# KiCad board RP2040-Breadstick Panel.kicad_pcb (continued)
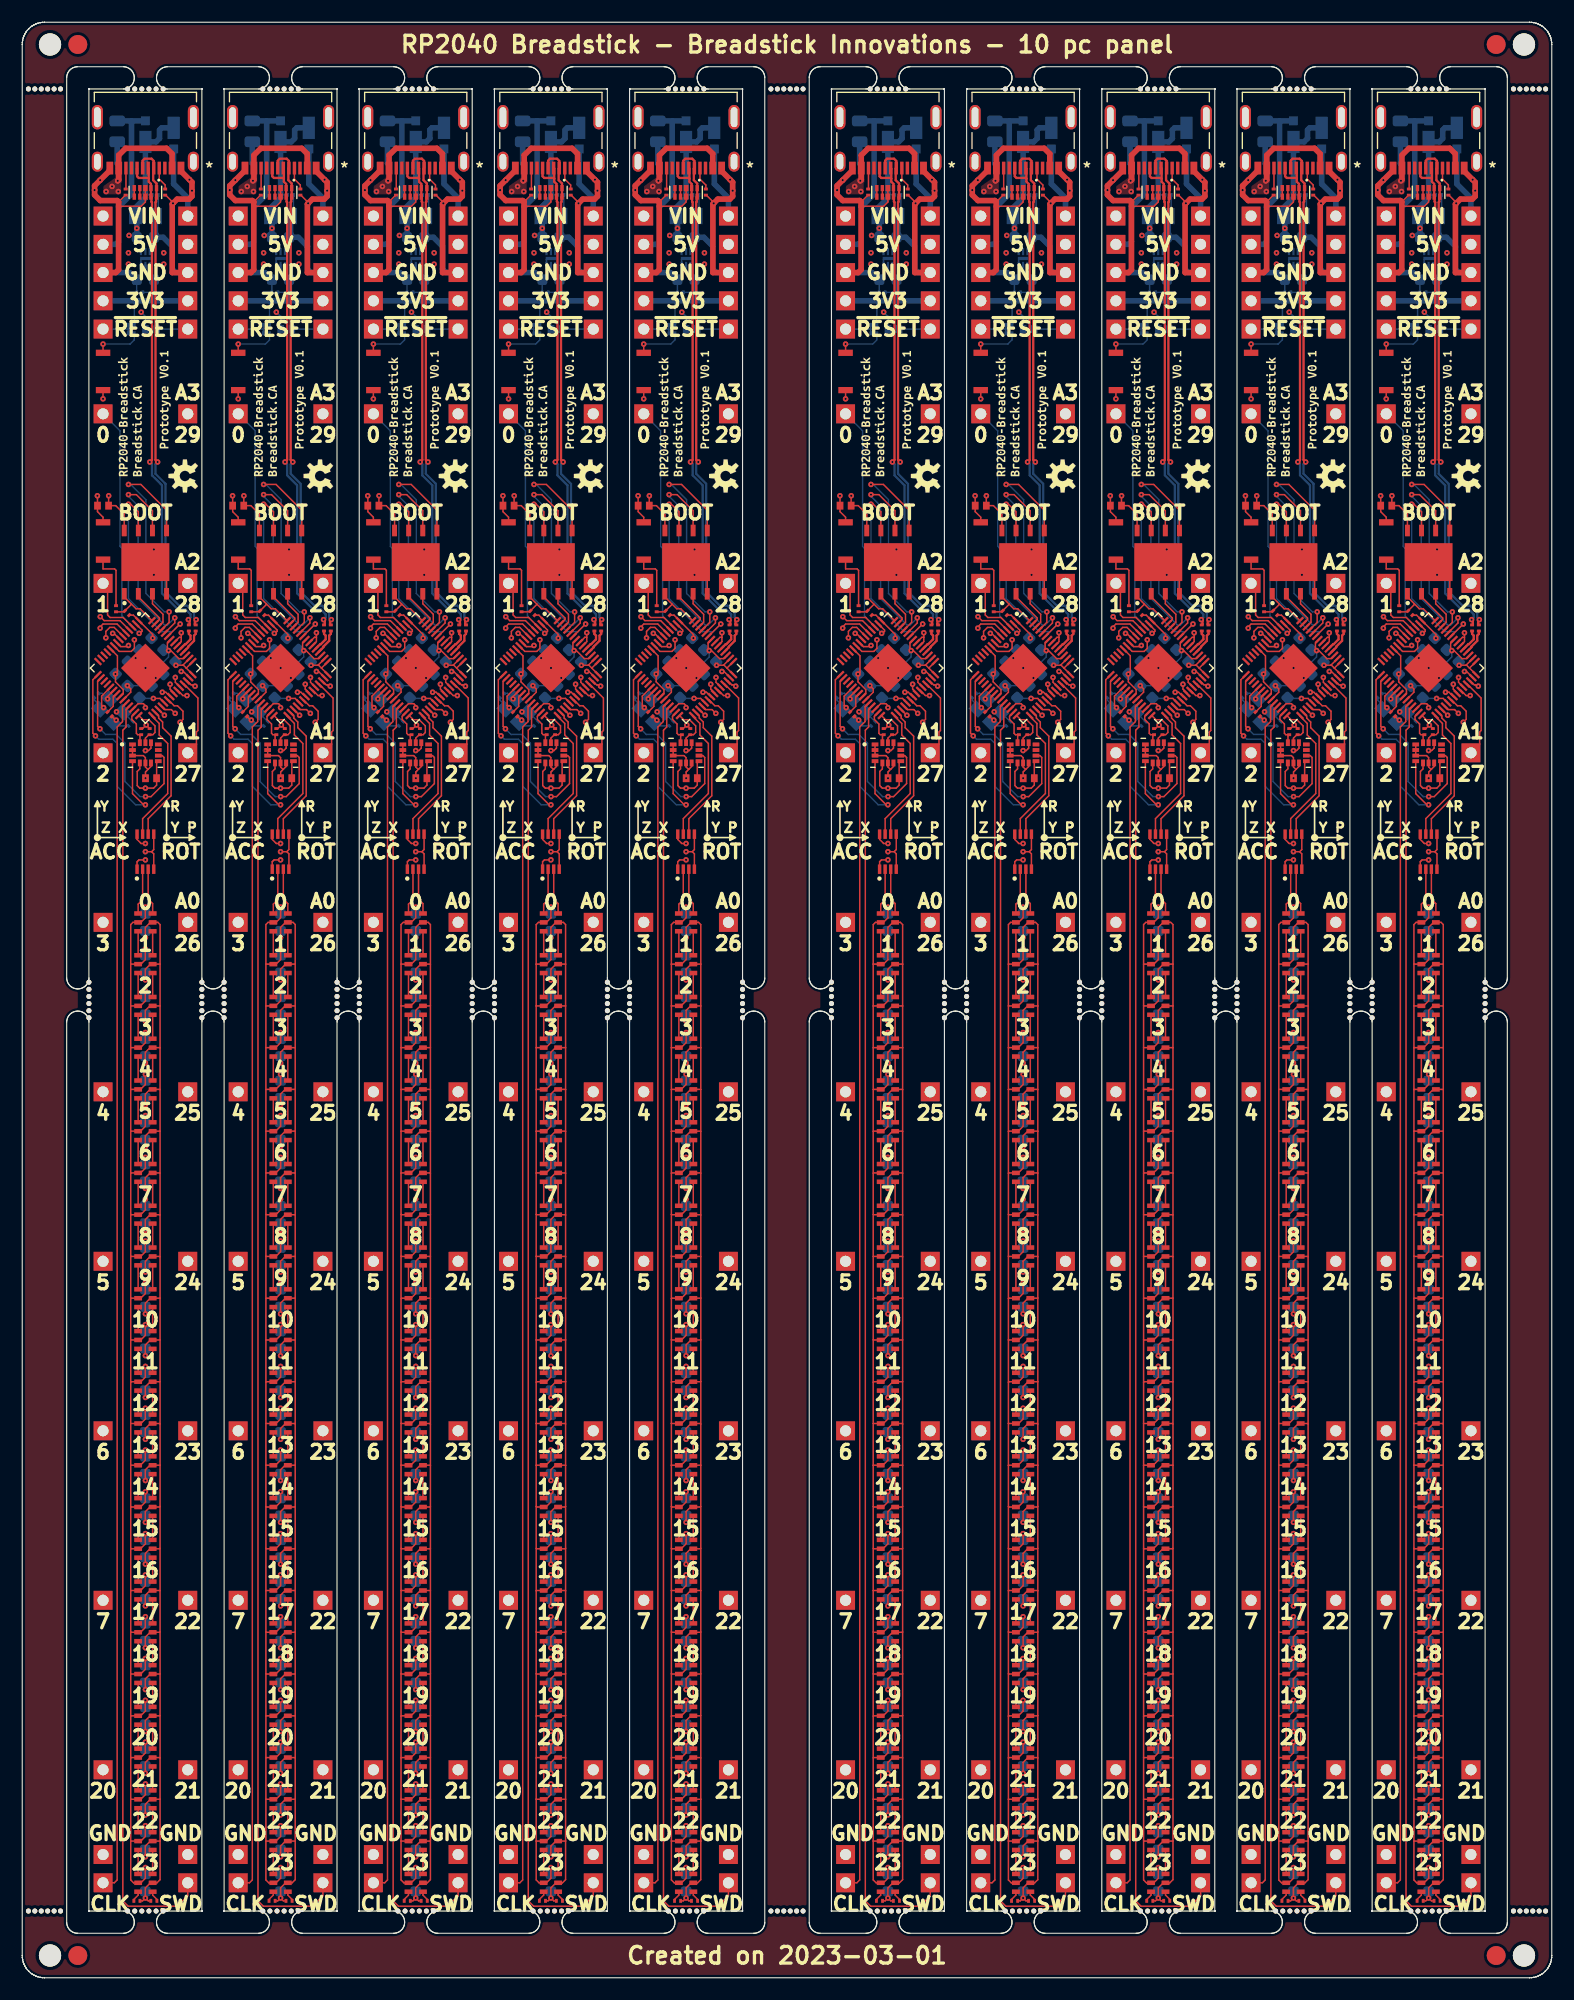
[diagram p0: board, top side]
## Routing (per net, layer and track width the routed paths; a pad name or vN(x,y) marks a point on that pad's centre or on a via; arc(x,y) is an arc through that point) (continued)
  L1_SIG.Cu w0.127: v1(111.41,120.88) 111.52,120.88 U201#4.7
  L3_SIG.Cu w0.127: v1(111.41,120.88) 111.41,117.89 111.16,117.63 111.16,116.98 112.67,115.47 112.67,112.25 112.6,112.18 112.6,108.31 112.27,107.98 112.27,92.85 111.69,92.27 111.69,78.22 110.55,77.08 J210#9.1
Board_8-/RP2040/D6: length 73.9
  L1_SIG.Cu w0.127: v1(112.84,119.79) 112.73,119.69 112.15,119.69 U201#4.8
  L3_SIG.Cu w0.127: v1(112.84,119.79) 112.48,119.79 112.2,119.51 112.2,117.72 113.26,116.66 113.26,114.03 113.07,113.84 113.07,112.07 113.01,112.01 113.01,108.08 112.86,107.93 112.86,92.21 112.34,91.69 112.34,63.31 110.55,61.52 J211#2.1
Board_8-/RP2040/D7: length 91.4
  L1_SIG.Cu w0.127: v1(113.37,120.3) 113.37,119.54 113.09,119.26 112.01,119.26 U201#4.9
  L3_SIG.Cu w0.127: v1(113.37,120.3) 113.37,119.33 112.97,118.93 112.97,118.17 114.03,117.11 114.03,114.79 113.69,114.45 113.69,113.42 113.46,113.19 113.46,107.8 113.34,107.68 113.34,91.44 113.1,91.2 113.1,62.09 111.88,60.87 111.88,44.1 110.55,42.77 J212.1
Board_8-/RP2040/D20: length 98.8
  L1_SIG.Cu w0.127: v1(116.07,113.52) 116.05,113.52 U201#4.31
  L3_SIG.Cu w0.127: v1(116.07,113.52) 114.55,113.52 113.87,112.84 113.87,61.15 113.13,60.41 113.13,32.49 110.55,29.91 J204#5.1
Board_8-/RP2040/D21: length 99.2
  L1_SIG.Cu w0.127: U201#4.32 116.11,114.03 116.7,114.03 117.03,113.69 v1(117.04,113.69)
  L3_SIG.Cu w0.127: v1(117.04,113.69) 116.84,113.49 116.84,113.17 116.67,113 115.87,113 114.87,112 114.87,61.15 115.62,60.4 115.62,32.39 118.17,29.84 J203#5.1
Board_8-/RP2040/D22: length 84.5
  L1_SIG.Cu w0.127: v1(117.48,112.89) 117.74,113.15 117.74,113.88 117.25,114.37 116.95,114.37 116.41,114.91 U201#4.34
  L3_SIG.Cu w0.127: v1(117.48,112.89) 117.2,112.61 116.13,112.61 115.34,111.82 115.34,107.82 115.42,107.74 115.42,91.48 115.65,91.25 115.65,62.28 116.87,61.06 116.87,44.18 118.11,42.94 118.11,34 J213#5.1
Board_8-/RP2040/D23: length 71.1
  L1_SIG.Cu w0.127: U201#4.35 116.59,115.19 116.19,115.59 v1(115.88,115.59)
  L3_SIG.Cu w0.127: v1(115.88,115.59) 116.2,115.59 118,113.79 118,112.48 117.76,112.24 116.34,112.24 115.8,111.7 115.8,108.08 115.94,107.94 115.94,92.01 116.39,91.56 116.39,63.31 118.17,61.53 J214.1
Board_8-/RP2040/D24: length 56.2
  L1_SIG.Cu w0.127: U201#4.36 116.93,115.52 116.58,115.87 v1(116.58,116.31)
  L3_SIG.Cu w0.127: v1(116.58,116.31) 116.58,115.87 118.37,114.08 118.37,112.19 118.09,111.92 116.54,111.92 116.22,111.6 116.22,108.31 116.48,108.05 116.48,92.71 117.04,92.15 117.04,78.12 118.17,76.99 J215#9.1
Board_8-/RP2040/D25: length 39.4
  L1_SIG.Cu w0.127: v1(118.1,115.29) 117.73,115.29 117.26,115.76 U201#4.37
  L3_SIG.Cu w0.127: v1(118.1,115.29) 118.72,114.67 118.72,111.95 118.4,111.63 116.82,111.63 116.63,111.44 116.63,108.69 117.05,108.27 117.05,93.35 118.17,92.23 J202#4.1
Board_8-/RP2040/MCU_QSPI_CSN: length 5.4
  L1_SIG.Cu w0.127: 113.08,123.54 113.52,123.09 113.88,123.09 U201#4.56 ; 113.08,123.54 113.08,123.47 R205#5.2 112.43,122.82 R204#9.2 ; 113.08,123.54 112.45,124.16 U203#10.1
Board_8-/RP2040/MCU_QSPI_SCLK: length 20.6
  L1_SIG.Cu w0.127: v1(117,122.28) 117,121.82 U201#4.52 ; U203#10.6 114.99,131.91 113.55,133.36 v1(112.84,133.36)
  L8_SIG.Cu w0.127: v1(117,122.28) 116.34,121.62 116.09,121.62 113.7,124.01 113.7,132.34 112.84,133.2 v1(112.84,133.36)
Board_8-/RP2040/MCU_QSPI_SD0: length 21.5
  L1_SIG.Cu w0.127: U203#10.5 116.27,131.96 113.95,134.27 v1(112.84,134.27) ; v1(116.49,122.81) 116.49,121.87 U201#4.53
  L8_SIG.Cu w0.127: v1(112.84,134.27) 113.04,134.27 114.41,132.9 114.41,124.47 116.06,122.81 v1(116.49,122.81)
Board_8-/RP2040/MCU_QSPI_SD1: length 3.6
  L1_SIG.Cu w0.127: U201#4.55 115.63,122.14 115.63,122.26 113.73,124.16 U203#10.2
Board_8-/RP2040/MCU_QSPI_SD2: length 3.5
  L1_SIG.Cu w0.127: U203#10.3 114.99,123.55 115.94,122.6 115.94,121.89 U201#4.54
Board_8-/RP2040/MCU_QSPI_SD3: length 19.1
  L1_SIG.Cu w0.127: v1(112.84,132.49) 113.04,132.49 113.73,131.81 U203#10.7 ; v1(117.48,121.72) 117.47,121.72 U201#4.51
  L8_SIG.Cu w0.127: v1(117.48,121.72) 116.8,121.04 115.81,121.04 112.84,124.01 v1(112.84,132.49)
Board_8-/RP2040/MCU_USB_D+: length 2.1
  L1_SIG.Cu w0.2: U201#4.47 117.92,119.91 117.98,119.91
  L1_SIG.Cu w0.203: 117.98,119.91 118.42,120.35 118.42,120.68 118.27,120.83 R203.1
Board_8-/RP2040/MCU_USB_D-: length 2.3
  L1_SIG.Cu w0.2: U201#4.46 118.21,119.63 118.21,119.68
  L1_SIG.Cu w0.203: 118.21,119.68 118.74,120.21 118.74,120.68 118.88,120.83 R202#4.1
Board_8-/RP2040/USB_D+: length 45.2
  L1_SIG.Cu w0.203: 114.66,161.77 114.6,161.83 113.76,161.83 113.61,161.98 J221.B6 ; 114.66,161.77 114.66,162.67 J221.A6 ; 114.66,161.77 114.66,161.49 114.86,161.29 U202#10.2 U202#10.9 114.9,160.11 114.9,159.7 114.95,159.64 114.95,136.48 v1(114.76,136.29) ; R203.2 118.34,121.71 118.34,122 v1(118.23,122.12)
  L8_SIG.Cu w0.203: v1(118.23,122.12) 118.42,122.31 118.42,122.6 117.96,123.05 117.27,123.05 115.85,124.47 115.85,134.19 114.95,135.09 114.95,136.1 v1(114.76,136.29)
Board_8-/RP2040/USB_D-: length 45.9
  L1_SIG.Cu w0.203: v1(118.93,122.12) 118.81,122 118.81,121.71 R202#4.2 ; J221.A7 114.11,163.38 114.29,163.56 114.91,163.56 115.11,163.36 J221.B7 115.06,162.67 115.06,161.63 115.36,161.33 U202#10.1 U202#10.10 115.32,160.11 115.32,159.7 115.27,159.64 115.27,136.48 v1(115.46,136.29)
  L8_SIG.Cu w0.203: v1(118.93,122.12) 118.74,122.31 118.74,122.73 118.1,123.37 117.41,123.37 116.17,124.61 116.17,134.33 115.27,135.23 115.27,136.1 v1(115.46,136.29)
Board_8-/RP2040/~{RESET}: length 49.9
  L1_SIG.Cu w0.127: U201#4.26 113.71,114.56 114.18,114.56 114.36,114.38 v1(114.36,114.2)
  L3_SIG.Cu w0.127: 113.73,148.24 113.73,121.77 114.41,121.09 114.41,118.52 114.99,117.94 114.99,117.49 114.59,117.09 114.59,114.43 v1(114.36,114.2)
  L3_SIG.Cu w0.5: J201#7.1 J222#5.1
  L8_SIG.Cu w0.127: C207.1 J201#7.1 ; 112.82,148.22 112.79,148.24 J222#5.1 ; 112.82,148.22 112.82,147.86 ; 112.82,148.22 112.82,148.62
Board_8-GND: length 241.1
  L1_SIG.Cu w0.127: 114.92,101.25 115.11,101.44 IC301#2.5 ; 114.92,101.25 v1(114.36,101.25) ; 114.92,101.25 115.11,101.06 IC301#2.4 ; U202#10.3 U202#10.8 114.36,159.67 113.98,159.29 111.95,159.29 ; 115.68,12.3 115.67,12.29 LED323#4.2 114.81,12.29 114.36,11.84 v1(114.36,10.88) ; 115.68,12.3 115.68,8.82 115.4,8.54 LED324#3.2 114.81,8.54 114.36,8.08 v1(114.36,7.17) ; 115.68,12.3 115.68,16.06 ; v1(114.36,7.17) 114.11,6.91 R304#5.2 ; v1(114.36,7.17) 114.61,6.91 R305#9.2 ; 115.68,38.61 115.68,34.8 ; 115.68,38.61 115.64,38.57 LED316#7.2 114.78,38.57 114.36,38.16 v1(114.36,37.19) ; 115.68,38.61 115.68,42.37 ; 115.68,34.8 115.68,31.1 ; 115.68,34.8 115.67,34.82 LED317#2.2 114.78,34.82 114.36,34.4 v1(114.36,33.43) ; 114.61,108.67 114.56,108.67 114.36,108.87 U401#6.6 114.36,109.71 114.18,109.89 U401#6.3 U401#6.2 U401#6.1 ; 114.61,108.67 114.37,108.42 v1(114.37,107.86) C401#7.2 ; 114.61,108.67 114.86,108.91 U401#6.7 ; 115.68,49.79 115.68,46.08 ; 115.68,49.79 115.68,53.6 ; 115.68,49.79 115.63,49.84 LED313#2.2 114.81,49.84 114.36,49.38 v1(114.36,48.42) ; 115.68,46.08 LED314#6.2 114.77,46.08 114.36,45.67 v1(114.36,44.71) ; 115.68,46.08 115.68,42.37 ; v1(116.84,159.55) 116.84,159.63 116.18,160.28 R207#3.2 ; 115.68,27.34 115.68,23.58 ; 115.68,27.34 115.68,31.1 ; 115.68,27.34 115.65,27.31 LED319#10.2 114.79,27.31 114.36,26.88 v1(114.36,25.91) ; 115.68,23.58 115.66,23.55 LED320#3.2 114.79,23.55 114.36,23.12 v1(114.36,22.15) ; 115.68,23.58 115.68,19.77 ; U203#10.4 116.27,127.29 v1(115.12,128.43) ; 115.68,16.06 115.67,16.04 LED322#8.2 114.8,16.04 114.36,15.6 v1(114.36,14.64) ; 115.68,16.06 115.68,19.77 ; v1(115.12,126.14) 115.12,126.52 U203#10.9 ; v1(114.36,89.72) 114.36,90.68 114.82,91.14 LED302#3.2 115.68,91.14 ; v1(114.36,78.49) 114.36,79.46 114.78,79.88 LED305#3.2 115.67,79.88 115.68,79.86 ; v1(114.36,59.7) 114.36,60.66 114.8,61.1 LED310#10.2 115.66,61.1 115.68,61.12 ; 115.68,53.6 115.67,53.59 LED312#6.2 114.81,53.59 114.36,53.14 v1(114.36,52.18) ; 115.68,53.6 115.68,57.36 ; 115.68,87.38 115.68,83.62 ; 115.68,87.38 115.68,91.14 ; 115.68,87.38 115.68,87.39 LED303#5.2 114.77,87.39 114.36,86.98 v1(114.36,86.01) ; 115.68,83.62 115.67,83.63 LED304#3.2 114.77,83.63 114.36,83.22 v1(114.36,82.25) ; 115.68,83.62 115.68,79.86 ; 115.68,91.14 115.68,94.7 115.48,94.9 LED301#10.2 114.81,94.9 114.36,94.44 v1(114.36,93.53) ; 115.68,76.1 115.66,76.12 LED306#6.2 114.78,76.12 114.36,75.7 v1(114.36,74.73) ; 115.68,76.1 115.68,79.86 ; 115.68,76.1 115.68,72.34 ; 115.68,64.83 115.68,61.12 ; 115.68,64.83 115.65,64.86 LED309#10.2 114.8,64.86 114.36,64.42 v1(114.36,63.45) ; 115.68,64.83 115.68,68.59 ; 115.68,61.12 115.68,57.36 ; 115.68,68.59 115.65,68.61 LED308#9.2 114.79,68.61 114.36,68.18 v1(114.36,67.21) ; 115.68,68.59 115.68,72.34 ; 115.68,19.77 115.65,19.8 LED321#7.2 114.8,19.8 114.36,19.36 v1(114.36,18.4) ; 115.68,31.1 115.65,31.06 LED318#2.2 114.79,31.06 114.36,30.64 v1(114.36,29.67) ; 115.68,42.37 115.64,42.33 LED315#3.2 114.77,42.33 114.36,41.92 v1(114.36,40.95) ; v1(110.6,114.2) 110.42,114.38 110.42,115.24 U201#4.19 ; v1(114.36,70.97) 114.36,71.94 114.79,72.37 LED307#7.2 115.66,72.37 115.68,72.34 ; 115.68,57.36 115.67,57.35 LED311#5.2 114.81,57.35 114.36,56.9 v1(114.36,55.94) ; R206#5.2 112.56,160.28 111.96,159.68 111.93,159.68 ; v1(110.04,133.25) 110.05,133.25 C216#9.2 110.05,131.82 110.55,131.32 SW201#8.1 ; SW202#8.1 v1(110.55,141.97)
  L1_SIG.Cu w0.5: J221.A1/B12 117.56,162.44 v1(118.32,161.68) 118.55,161.45 v1(118.55,160.69) 118.55,160.18 118.3,159.92 117.22,159.92 v1(116.84,159.55) 116.77,159.48 116.77,153.32 J506#7.1 ; J505#2.1 111.69,153.32 111.95,153.57 111.95,159.67 111.82,159.8 110.3,159.8 109.79,160.31 v1(109.79,160.74) 109.79,161.13 v1(110.29,161.63) 111.16,162.5 J221.B1/A12
  L3_SIG.Cu w0.5: J505#2.1 J506#7.1
  L8_SIG.Cu w0.127: v1(114.36,82.25) C306.2 ; v1(114.36,22.15) C322.2 ; v1(114.36,40.95) C317#6.2 ; U501.7 114.03,154.59 113.96,154.52 U501.3 ; v1(113.98,149.76) 114.37,149.38 C207.2 ; C309#5.2 114.36,71.58 v1(114.36,70.97) ; v1(114.36,86.01) C305#5.2 ; v1(114.36,18.4) C323#10.2 ; C201#2.2 109.77,114.88 110.25,114.41 ; v1(114.36,93.53) 114.36,94.13 ; C501#6.2 115.52,158.66 R501#4.1 ; v1(114.36,10.88) C325.2 ; v1(114.36,67.21) C310#8.2 ; v1(114.36,89.72) C304#7.2 ; v1(114.36,52.18) C314#4.2 ; v1(114.36,78.49) C307#4.2 ; C203#5.2 113.2,112.95 112.37,113.78 Y201#8.2 ; R502#7.1 113.58,152.68 C503#3.2 ; v1(114.36,74.73) 114.36,75.34 C308#9.2 ; v1(114.36,14.64) C324#5.2 ; v1(114.36,63.45) C311#7.2 ; v1(114.36,44.71) C316#6.2 ; v1(114.36,29.67) C320#3.2 ; v1(114.36,55.94) C313#6.2 ; v1(114.36,33.43) C319.2 ; v1(114.36,37.19) C318#8.2 ; v1(114.36,7.17) C326#7.2 ; v1(114.36,59.7) C312#2.2 ; v1(114.36,48.42) C315#5.2 ; v1(114.36,25.91) C321#4.2
  L8_SIG.Cu w0.203: C503#3.2 113.96,153.06 U501.3
  L8_SIG.Cu w0.5: C503#3.2 113.57,152.69 112.94,153.32 J505#2.1 ; C501#6.2 115.26,156.62 C502#3.2 115.96,156.5 116.77,155.68 116.77,153.62 117.08,153.32 J506#7.1
  vias: v1(111.76,113.83) v1(113.48,118.66) v1(114.37,117.77) v1(115.29,116.87)
Board_8-IMU_INT1: length 19.6
  L1_SIG.Cu w0.127: v1(114.36,105.47) 114.2,105.47 113.2,106.47 U401#6.4 ; v1(109.87,111.66) 109.63,111.9 109.63,116.71 U201#4.15
  L8_SIG.Cu w0.127: v1(109.87,111.66) 110.17,111.36 111.44,111.36 111.84,110.96 111.84,107.11 113.48,105.47 v1(114.36,105.47)
Board_8-IMU_INT2: length 18.5
  L1_SIG.Cu w0.127: U401#6.9 115.87,109.89 116.04,109.72 116.04,107.37 114.87,106.2 v1(114.37,106.2) ; U201#4.16 110.06,116.57 110.06,112.51 v1(110.27,112.3)
  L8_SIG.Cu w0.127: v1(114.37,106.2) 113.88,106.2 112.52,107.56 112.52,111.01 111.74,111.79 110.78,111.79 v1(110.27,112.3)
Board_8-IMU_SCL: length 3.9
  L1_SIG.Cu w0.127: U201#4.28 114.14,113.12 114.67,113.12 115.22,112.56 115.22,111.97 115.02,111.77 R210#3.1 114.67,111.77 114.36,111.46 U401#6.13
Board_8-IMU_SDA: length 3.4
  L1_SIG.Cu w0.127: U201#4.27 113.14,113.43 113.14,113.14 113.55,112.73 113.55,111.89 113.67,111.77 R209#10.1 113.87,111.66 113.87,111.06 U401#6.14
Board_8-LED_CLK: length 12.2
  L1_SIG.Cu w0.127: IC301#2.7 114.11,104.23 116.37,106.48 116.37,110.98 115.6,111.74 115.6,112.78 114.95,113.44 U201#4.29
Board_8-LED_DATA: length 12.4
  L1_SIG.Cu w0.127: IC301#2.6 114.61,104.22 116.67,106.28 116.67,111.64 115.91,112.4 115.91,112.91 115.55,113.26 115.55,113.45 U201#4.30
Board_8-Net-(C201-Pad1): length 2
  L1_SIG.Cu w0.127: U201#4.20 110.96,115.2 v1(110.96,114.99)
  L8_SIG.Cu w0.127: v1(110.96,114.99) 110.46,115.49 C201#2.1
Board_8-Net-(C203-Pad1): length 2.1
  L1_SIG.Cu w0.127: R201#8.1 111.67,113.08 v1(111.73,113.08)
  L8_SIG.Cu w0.127: C203#5.1 111.73,112.56 Y201#8.3
Board_8-Net-(J221-PadA5): length 2.1
  L1_SIG.Cu w0.127: R207#3.1 116.14,161.19 115.61,161.72 J221.A5
Board_8-Net-(J221-PadB5): length 1.9
  L1_SIG.Cu w0.127: J221.B5 112.61,160.86 R206#5.1
Board_8-Net-(LED301-Pad1): length 2.2
  L1_SIG.Cu w0.127: LED301#10.1 LED302#3.3
Board_8-Net-(LED301-Pad6): length 2.2
  L1_SIG.Cu w0.127: LED301#10.6 LED302#3.4
Board_8-Net-(LED302-Pad1): length 2.2
  L1_SIG.Cu w0.127: LED302#3.1 LED303#5.3
Board_8-Net-(LED302-Pad6): length 2.2
  L1_SIG.Cu w0.127: LED302#3.6 LED303#5.4
Board_8-Net-(LED303-Pad1): length 2.2
  L1_SIG.Cu w0.127: LED303#5.1 LED304#3.3
Board_8-Net-(LED303-Pad6): length 2.2
  L1_SIG.Cu w0.127: LED303#5.6 LED304#3.4
Board_8-Net-(LED304-Pad1): length 2.2
  L1_SIG.Cu w0.127: LED304#3.1 LED305#3.3
Board_8-Net-(LED304-Pad6): length 2.2
  L1_SIG.Cu w0.127: LED304#3.6 LED305#3.4
Board_8-Net-(LED305-Pad1): length 2.2
  L1_SIG.Cu w0.127: LED305#3.1 LED306#6.3
Board_8-Net-(LED305-Pad6): length 2.2
  L1_SIG.Cu w0.127: LED305#3.6 LED306#6.4
Board_8-Net-(LED306-Pad1): length 2.2
  L1_SIG.Cu w0.127: LED306#6.1 LED307#7.3
Board_8-Net-(LED306-Pad6): length 2.2
  L1_SIG.Cu w0.127: LED306#6.6 LED307#7.4
Board_8-Net-(LED307-Pad1): length 2.2
  L1_SIG.Cu w0.127: LED307#7.1 LED308#9.3
Board_8-Net-(LED307-Pad6): length 2.2
  L1_SIG.Cu w0.127: LED307#7.6 LED308#9.4
Board_8-Net-(LED308-Pad1): length 2.2
  L1_SIG.Cu w0.127: LED308#9.1 LED309#10.3
Board_8-Net-(LED308-Pad6): length 2.2
  L1_SIG.Cu w0.127: LED308#9.6 LED309#10.4
Board_8-Net-(LED309-Pad1): length 2.2
  L1_SIG.Cu w0.127: LED309#10.1 LED310#10.3
Board_8-Net-(LED309-Pad6): length 2.2
  L1_SIG.Cu w0.127: LED309#10.6 LED310#10.4
Board_8-Net-(LED310-Pad1): length 2.2
  L1_SIG.Cu w0.127: LED310#10.1 LED311#5.3
Board_8-Net-(LED310-Pad6): length 2.2
  L1_SIG.Cu w0.127: LED310#10.6 LED311#5.4
Board_8-Net-(LED311-Pad1): length 2.2
  L1_SIG.Cu w0.127: LED311#5.1 LED312#6.3
Board_8-Net-(LED311-Pad6): length 2.2
  L1_SIG.Cu w0.127: LED311#5.6 LED312#6.4
Board_8-Net-(LED312-Pad1): length 2.2
  L1_SIG.Cu w0.127: LED312#6.1 LED313#2.3
Board_8-Net-(LED312-Pad6): length 2.2
  L1_SIG.Cu w0.127: LED312#6.6 LED313#2.4
Board_8-Net-(LED313-Pad1): length 2.2
  L1_SIG.Cu w0.127: LED313#2.1 LED314#6.3
Board_8-Net-(LED313-Pad6): length 2.2
  L1_SIG.Cu w0.127: LED313#2.6 LED314#6.4
Board_8-Net-(LED314-Pad1): length 2.2
  L1_SIG.Cu w0.127: LED314#6.1 LED315#3.3
Board_8-Net-(LED314-Pad6): length 2.2
  L1_SIG.Cu w0.127: LED314#6.6 LED315#3.4
Board_8-Net-(LED315-Pad1): length 2.2
  L1_SIG.Cu w0.127: LED315#3.1 LED316#7.3
Board_8-Net-(LED315-Pad6): length 2.2
  L1_SIG.Cu w0.127: LED315#3.6 LED316#7.4
Board_8-Net-(LED316-Pad1): length 2.2
  L1_SIG.Cu w0.127: LED316#7.1 LED317#2.3
Board_8-Net-(LED316-Pad6): length 2.2
  L1_SIG.Cu w0.127: LED316#7.6 LED317#2.4
Board_8-Net-(LED317-Pad1): length 2.2
  L1_SIG.Cu w0.127: LED317#2.1 LED318#2.3
Board_8-Net-(LED317-Pad6): length 2.2
  L1_SIG.Cu w0.127: LED317#2.6 LED318#2.4
Board_8-Net-(LED318-Pad1): length 2.2
  L1_SIG.Cu w0.127: LED318#2.1 LED319#10.3
Board_8-Net-(LED318-Pad6): length 2.2
  L1_SIG.Cu w0.127: LED318#2.6 LED319#10.4
Board_8-Net-(LED319-Pad1): length 2.2
  L1_SIG.Cu w0.127: LED319#10.1 LED320#3.3
Board_8-Net-(LED319-Pad6): length 2.2
  L1_SIG.Cu w0.127: LED319#10.6 LED320#3.4
Board_8-Net-(LED320-Pad1): length 2.2
  L1_SIG.Cu w0.127: LED320#3.1 LED321#7.3
Board_8-Net-(LED320-Pad6): length 2.2
  L1_SIG.Cu w0.127: LED320#3.6 LED321#7.4
Board_8-Net-(LED321-Pad1): length 2.2
  L1_SIG.Cu w0.127: LED321#7.1 LED322#8.3
Board_8-Net-(LED321-Pad6): length 2.2
  L1_SIG.Cu w0.127: LED321#7.6 LED322#8.4
Board_8-Net-(LED322-Pad1): length 2.2
  L1_SIG.Cu w0.127: LED322#8.1 LED323#4.3
Board_8-Net-(LED322-Pad6): length 2.2
  L1_SIG.Cu w0.127: LED322#8.6 LED323#4.4
Board_8-Net-(LED323-Pad1): length 2.2
  L1_SIG.Cu w0.127: LED323#4.1 LED324#3.3
Board_8-Net-(LED323-Pad6): length 2.2
  L1_SIG.Cu w0.127: LED323#4.6 LED324#3.4
Board_8-Net-(LED324-Pad1): length 1
  L1_SIG.Cu w0.127: R305#9.1 115.4,7.05 115.01,7.43 LED324#3.1
Board_8-Net-(LED324-Pad6): length 1
  L1_SIG.Cu w0.127: LED324#3.6 113.71,7.43 113.32,7.05 R304#5.1
Board_8-Net-(R201-Pad2): length 2
  L1_SIG.Cu w0.127: U201#4.21 111.46,115.15 111.46,114.32 R201#8.2
Board_8-Net-(R204-Pad1): length 5.2
  L1_SIG.Cu w0.127: R204#9.1 111.72,126.55 111.59,126.68 110.55,126.68 SW201#8.2
Board_8-Net-(R211-Pad1): length 4.3
  L1_SIG.Cu w0.127: SW202#8.2 v1(110.55,146.89)
  L8_SIG.Cu w0.127: R211#5.1 113.36,147.27 112.99,146.89 v1(110.55,146.89)
Board_8-Net-(U202-Pad4): length 0.8
  L1_SIG.Cu w0.127: U202#10.4 U202#10.7
Board_8-Net-(U202-Pad5): length 0.8
  L1_SIG.Cu w0.127: U202#10.5 U202#10.6
Board_8-SWCLK: length 107.5
  L1_SIG.Cu w0.127: U201#4.24 112.3,114.29 112.3,112.95 111.82,112.46 111.82,8.79 111.57,8.54 J223#8.1
Board_8-SWD: length 115.3
  L1_SIG.Cu w0.127: J224#6.1 118.17,7.37 117.23,6.43 112.81,6.43 112.33,6.91 112.33,112.17 112.62,112.46 112.62,114.04 U201#4.25
Board_8-VBUS: length 12.5
  L1_SIG.Cu w0.5: J221.A4/B9 116.76,164 116.27,164.5 112.58,164.5 111.96,163.87 J221.B4/A9 111.96,161.66 v1(111.87,161.58)
  L8_SIG.Cu w0.5: v1(111.87,161.58) 111.95,161.65 111.95,163 111.82,163.12 F501#2.1
  vias: v1(110.83,160.61) v1(111.36,161.07) v1(111.92,160.61)
Board_8-VHI: length 174.3
  L1_SIG.Cu w0.127: 113.04,23.53 113.07,23.55 LED320#3.5 113.93,23.55 114.36,23.98 v1(114.36,24.95) ; 113.04,23.53 113.04,27.34 ; 113.04,23.53 113.04,19.77 ; v1(114.36,39.93) 114.36,39.02 113.91,38.57 LED316#7.5 113.08,38.57 113.04,38.61 ; v1(114.36,84.99) 114.36,84.08 113.91,83.63 LED304#3.5 113.05,83.63 113.04,83.62 ; 113.04,79.86 113.05,79.88 LED305#3.5 113.92,79.88 114.36,80.32 v1(114.36,81.23) ; 113.04,79.86 113.04,83.62 ; 113.04,79.86 113.04,76.1 ; 113.04,31.1 113.04,27.34 ; 113.04,31.1 113.07,31.06 LED318#2.5 113.92,31.06 114.36,31.5 v1(114.36,32.47) ; 113.04,31.1 113.04,34.8 ; 113.04,27.34 113.07,27.31 LED319#10.5 113.93,27.31 114.36,27.74 v1(114.36,28.71) ; v1(114.36,43.69) 114.36,42.78 113.91,42.33 LED315#3.5 113.08,42.33 113.04,42.37 ; 113.04,19.77 113.04,16.06 ; 113.04,19.77 113.07,19.8 LED321#7.5 113.94,19.8 114.36,20.22 v1(114.36,21.19) ; 113.04,16.06 113.05,16.04 LED322#8.5 113.94,16.04 114.36,16.46 v1(114.36,17.43) ; 113.04,16.06 113.04,12.3 ; 113.04,38.61 113.04,42.37 ; 113.04,38.61 113.04,34.8 ; 113.04,83.62 113.04,87.38 ; v1(114.36,62.49) 114.36,61.52 113.94,61.1 LED310#10.5 113.07,61.1 113.04,61.07 ; 113.04,91.14 113.04,87.38 ; 113.04,91.14 113.04,94.7 113.24,94.9 LED301#10.5 113.95,94.9 114.36,95.31 v1(114.36,96.27) ; 113.04,91.14 LED302#3.5 113.95,91.14 114.36,91.55 v1(114.36,92.51) ; 113.04,87.38 113.04,87.39 LED303#5.5 113.91,87.39 114.36,87.84 v1(114.36,88.75) ; 113.04,61.07 113.04,57.36 ; 113.04,61.07 113.04,64.88 ; 113.04,57.36 113.04,53.55 ; 113.04,57.36 113.05,57.35 LED311#5.5 113.94,57.35 114.36,57.77 v1(114.36,58.73) ; 113.04,68.64 113.06,68.61 LED308#9.5 113.93,68.61 114.36,69.04 v1(114.36,70.01) ; 113.04,68.64 113.04,72.34 ; 113.04,68.64 113.04,64.88 ; 113.04,12.3 113.04,8.79 113.3,8.54 LED324#3.5 113.95,8.54 114.36,8.95 v1(114.36,9.91) ; 113.04,12.3 113.05,12.29 LED323#4.5 113.94,12.29 114.36,12.71 v1(114.36,13.67) ; v1(114.36,100.51) 113.78,100.51 113.61,100.35 IC301#2.1 ; 113.04,53.55 113.08,53.59 LED312#6.5 113.95,53.59 114.36,54.01 v1(114.36,54.97) ; 113.04,53.55 113.04,49.84 ; 113.04,42.37 113.04,46.08 ; v1(114.36,66.25) 114.36,65.28 113.93,64.86 LED309#10.5 113.06,64.86 113.04,64.88 ; 113.04,46.08 LED314#6.5 113.9,46.08 114.36,46.54 v1(114.36,47.45) ; 113.04,46.08 113.04,49.84 ; v1(114.36,73.77) 114.36,72.8 113.92,72.37 LED307#7.5 113.06,72.37 113.04,72.34 ; 113.04,72.34 113.04,76.1 ; v1(114.36,77.53) 114.36,76.56 113.92,76.12 LED306#6.5 113.06,76.12 113.04,76.1 ; 113.04,49.84 113.04,49.84 LED313#2.5 113.95,49.84 114.36,50.25 v1(114.36,51.21) ; 113.04,34.8 113.05,34.82 LED317#2.5 113.92,34.82 114.36,35.26 v1(114.36,36.23)
  L8_SIG.Cu w0.127: v1(114.36,28.71) C321#4.1 ; v1(114.36,77.53) 114.36,76.92 C308#9.1 ; v1(114.36,88.75) C305#5.1 ; v1(114.36,54.97) C314#4.1 ; v1(114.36,9.91) C326#7.1 ; v1(114.36,70.01) C310#8.1 ; C309#5.1 114.36,73.16 v1(114.36,73.77) ; v1(114.36,32.47) C320#3.1 ; v1(114.36,62.49) C312#2.1 ; v1(114.36,58.73) C313#6.1 ; v1(114.36,96.27) C303#3.1 ; v1(114.36,84.99) C306.1 ; v1(114.36,17.43) C324#5.1 ; v1(114.36,21.19) C323#10.1 ; v1(114.36,51.21) C315#5.1 ; R501#4.2 114.49,160.31 114.36,160.43 ; v1(114.36,13.67) C325.1 ; v1(114.36,66.25) C311#7.1 ; v1(114.36,36.23) C319.1 ; v1(114.36,47.45) C316#6.1 ; v1(114.36,81.23) C307#4.1 ; v1(114.36,39.93) C318#8.1 ; v1(114.36,92.51) C304#7.1 ; v1(114.36,24.95) C322.1 ; v1(114.36,43.69) C317#6.1
  L8_SIG.Cu w0.5: D501#2.1 115.82,166.34 115.63,166.15 115.63,165.39 115.32,165.07 D502#4.1 114.36,160.05 113.46,159.15 C501#6.1 113.58,158.28 v1(113.58,157.31) C502#3.1
  vias: v1(112.84,155.1) v1(112.84,154.08) v1(112.89,156.66) v1(116.01,155.1) v1(116.01,154.08)
Board_8-VIN: length 14.2
  L3_SIG.Cu w0.5: J502#9.1 J501#5.1
  L8_SIG.Cu w0.5: J501#5.1 118.17,160.03 116.9,161.3 D501#2.2
Board_9-3V3_LDO: length 53.3
  L1_SIG.Cu w0.127: U401#7.8 127.53,109.24 C401#5.1 127.53,107.24 127.26,106.97 v1(126.52,106.97) 126.01,106.97 125.78,107.19 125.78,108.46 126.02,108.7 U401#7.5 ; 129.75,120.53 129.57,120.53 U201#3.49 ; 129.75,120.53 129.75,120.14 U201#3.48 ; 129.75,120.53 v1(129.75,120.94) ; U401#7.12 127.02,110.56 126.8,110.34 v1(126.52,110.34) ; R205#9.1 125.44,122.52 U201#3.1 127.18,120.78 v1(127.18,120.45) ; 130.2,117.76 129.94,118.01 129.89,118.01 ; 130.2,117.76 130.2,117.76 U201#3.43 ; 130.2,117.76 U201#3.42 ; U203#4.8 124.61,131.6 123.85,132.37 C216#5.1 123.21,133.25 v1(123.22,133.25) ; U201#3.10 124.01,118.86 124.01,117.4 v1(123.83,117.23) 123.83,116.52 124.53,115.82 124.53,115.49 U201#3.22 ; R210#6.2 126.9,112.33 v1(126.59,112.64) 126.27,112.32 R209.2 ; v1(126.52,101.99) 126.14,101.99 125.77,102.36 IC301#10.8 ; v1(127.24,115.03) 127.84,115.03 U201#3.33 ; 129.89,118.01 U201#3.44 ; 129.89,118.01 v1(129.26,118.01)
  L3_SIG.Cu w0.5: J508#6.1 J507#8.1
  L8_SIG.Cu w0.127: v1(123.83,117.23) 123.84,117.24 C210#5.1 ; v1(127.24,115.03) 126.04,115.03 C206#4.1 ; 125.5,150.78 125.52,150.76 125.52,148.62 ; C211#3.1 129.26,118.28 v1(129.26,118.01) ; R502#5.2 127.28,151.54
  L8_SIG.Cu w0.15: 126.92,153.33 127.3,152.95 C503#6.1
  L8_SIG.Cu w0.203: U501#9.2 126.52,153.47 126.67,153.33 126.92,153.33 U501#9.1
  L8_SIG.Cu w0.5: 127.18,150.78 J507#8.1 ; 127.18,150.78 J508#6.1 ; 127.18,150.78 127.31,150.91 127.31,152.67
Board_9-+1V1: length 10.2
  L1_SIG.Cu w0.127: U201#3.23 125.2,115.59 125.2,115.88 v1(124.9,116.18) ; U201#3.45 129.92,118.61 129.53,118.61 128.81,119.33 v1(128.6,119.33) 128.5,119.44 128.5,120.02 U201#3.50
  L8_SIG.Cu w0.127: v1(128.6,119.33) 128.6,118.76 126.02,116.18 v1(124.9,116.18)
Board_9-/Addressable RGB LEDs/CLK: length 4.1
  L1_SIG.Cu w0.127: IC301#10.2 126.27,96.94 125.87,96.54 LED301#7.4
Board_9-/Addressable RGB LEDs/DATA: length 4.1
  L1_SIG.Cu w0.127: IC301#10.3 126.77,96.99 127.17,96.59 LED301#7.3
Board_9-/RP2040/ADC0: length 26.2
  L1_SIG.Cu w0.127: U201#3.38 129.21,116.48 v1(129.21,116.92)
  L3_SIG.Cu w0.127: J220.1 130.33,107.85 129.21,108.97 129.21,111.27 130.8,111.27 131.24,111.71 131.24,115.02 129.34,116.92 v1(129.21,116.92)
Board_9-/RP2040/ADC1: length 7.1
  L1_SIG.Cu w0.127: J219#3.1 131.11,110.92 131.11,112.01 131.24,112.15 131.24,115.07 129.99,116.32 U201#3.39
Board_9-/RP2040/ADC2: length 12.9
  L1_SIG.Cu w0.127: U201#3.40 130.28,116.6 130.63,116.25 130.74,116.25 130.86,116.13 v1(130.99,116.13)
  L3_SIG.Cu w0.127: v1(130.99,116.13) 130.99,118.91 128.12,121.78 128.12,124.11 129.39,125.38 J218#3.1
Board_9-/RP2040/ADC3: length 26.9
  L1_SIG.Cu w0.127: U201#3.41 129.94,117.46 v1(129.75,117.46)
  L3_SIG.Cu w0.127: v1(129.75,117.46) 130.1,117.81 130.1,118.62 127.1,121.62 127.1,124.45 128.63,125.98 128.63,128.07 130.33,129.77 J217#10.1
Board_9-/RP2040/D0: length 22.3
  L1_SIG.Cu w0.127: v1(125.96,120.88) 126.04,120.88 126.22,121.06 126.22,121.18 U201#3.2
  L8_SIG.Cu w0.127: v1(125.96,120.88) 124.41,122.43 124.41,128.53 124.23,128.71 124.23,139.1 J205#6.1
Board_9-/RP2040/D1: length 5.7
  L1_SIG.Cu w0.127: J206#5.1 123.12,124.97 123.12,122.54 123.35,122.31 124.52,122.31 U201#3.3
Board_9-/RP2040/D2: length 16.5
  L1_SIG.Cu w0.127: U201#3.4 124.23,122.03 122.81,122.03 v1(122.46,122.38)
  L3_SIG.Cu w0.127: v1(122.46,122.38) 121.82,121.74 121.82,113.26 122.15,112.93 122.58,112.93 122.98,112.53 122.98,111.43 122.71,111.16 J207#8.1
Board_9-/RP2040/D3: length 30.6
  L1_SIG.Cu w0.127: v1(122.45,121.35) 122.45,121.46 122.71,121.72 123.97,121.72 U201#3.5
  L3_SIG.Cu w0.127: v1(122.45,121.35) 122.43,121.33 122.43,114.94 122.25,114.76 122.25,114.03 123.84,112.44 123.84,108.93 122.71,107.8 J208#2.1
